# Altium PCB PCB1.PcbDoc (part 2 of 15) (continued)
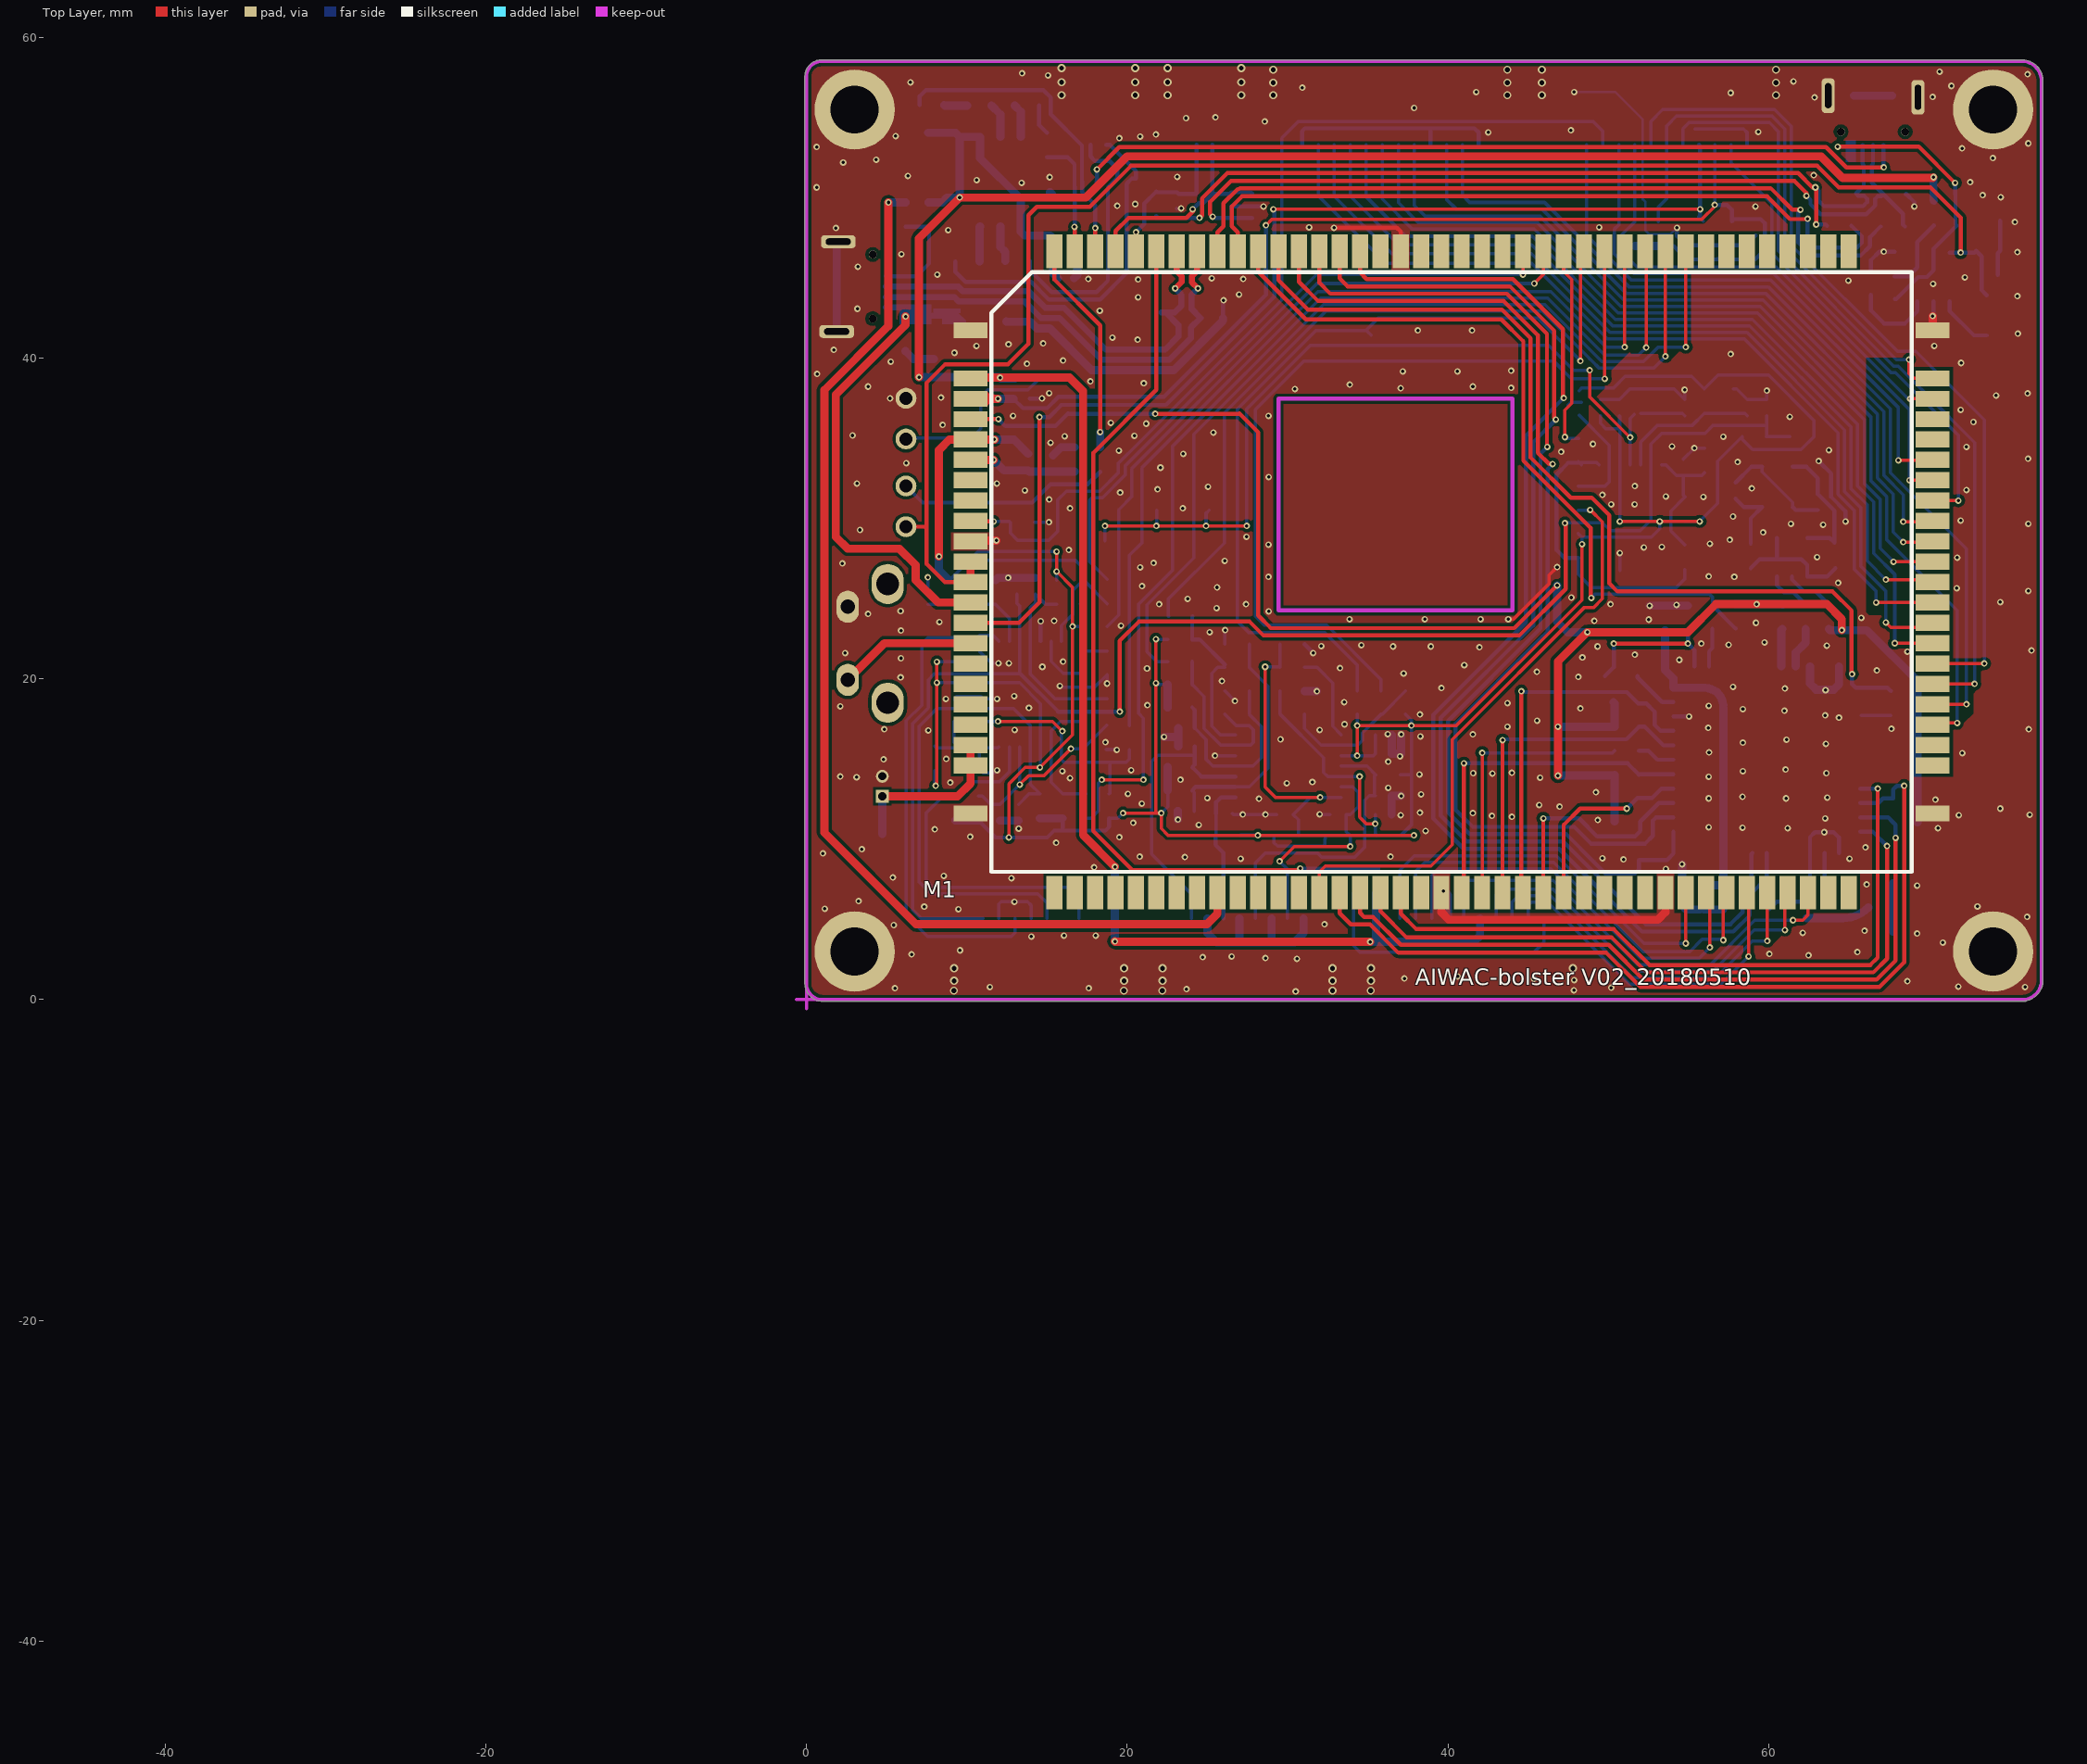
[diagram p0: Top Layer view]
## Free pads (board coordinates) (continued)
1(-45.28,-44) 1(-45.28,-44) 1(-45.28,-44) 1(-45.28,-44) 1(-45.28,-44) 1(-45.28,-43.97) 1(-45.28,-43.97) 1(-45.28,-43.97) 1(-45.28,-43.969) 1(-45.28,-43.969) 1(-45.28,-43.969) 1(-45.28,-43.987) 1(-45.28,-43.987) 1(-45.28,-43.987) 1(-45.28,-43.986) 1(-45.28,-43.986) 1(-45.28,-43.986) 1(-45.28,-44.012) 1(-45.28,-44.012) 1(-45.28,-44.012) 1(-45.28,-44.012) 1(-45.28,-44.012) 1(-45.28,-44.012) 1(-45.28,-43.98) 1(-45.28,-43.98) 1(-45.28,-43.98) 1(-45.28,-43.978) 1(-45.28,-43.978) 1(-45.28,-43.978) 1(-45.28,-44.014) 1(-45.28,-44.014) 1(-45.28,-44.014) 1(-45.28,-44.014) 1(-45.28,-44.014) 1(-45.28,-44.014) 1(-45.28,-44.013) 1(-45.28,-44.013) 1(-45.28,-44.013) 1(-45.28,-44.012) 1(-45.28,-44.012) 1(-45.28,-44.012) 1(-45.28,-44.011) 1(-45.28,-44.011) 1(-45.28,-44.011) 1(-45.28,-44.011) 1(-45.28,-44.011) 1(-45.28,-44.011) 1(-45.28,-43.975) 1(-45.28,-43.975) 1(-45.28,-43.975) 1(-45.28,-43.975) 1(-45.28,-43.975) 1(-45.28,-43.975) 1(-45.28,-43.973) 1(-45.28,-43.973) 1(-45.28,-43.973) 1(-45.28,-43.973) 1(-45.28,-43.973) 1(-45.28,-43.973) 1(-45.28,-43.998) 1(-45.28,-43.998) 1(-45.28,-43.998) 1(-45.28,-43.998) 1(-45.28,-43.998) 1(-45.28,-43.998) 1(-45.28,-43.97) 1(-45.28,-43.97) 1(-45.28,-43.97) 1(-45.28,-43.969) 1(-45.28,-43.969) 1(-45.28,-43.969) 1(-45.28,-43.998) 1(-45.28,-43.998) 1(-45.28,-43.998) 1(-45.28,-43.998) 1(-45.28,-43.998) 1(-45.28,-43.998) 1(-45.28,-43.987) 1(-45.28,-43.987) 1(-45.28,-43.987) 1(-45.28,-43.986) 1(-45.28,-43.986) 1(-45.28,-43.986) 1(-45.279,-43.971) 1(-45.279,-43.971) 1(-45.279,-43.971) 1(-45.279,-43.97) 1(-45.279,-43.97) 1(-45.279,-43.97) 1(-45.279,-43.97) 1(-45.279,-43.97) 1(-45.279,-43.97) 1(-45.279,-43.988) 1(-45.279,-43.988) 1(-45.279,-43.988) 1(-45.279,-43.988) 1(-45.279,-43.988) 1(-45.279,-43.988) 1(-45.279,-43.987) 1(-45.279,-43.987) 1(-45.279,-43.987) 1(-45.279,-43.987) 1(-45.279,-43.987) 1(-45.279,-43.987) 1(-45.279,-43.987) 1(-45.279,-43.987) 1(-45.279,-43.987) 1(-45.279,-43.987) 1(-45.279,-43.987) 1(-45.279,-43.987) 1(-45.279,-43.998) 1(-45.279,-43.998) 1(-45.279,-43.998) 1(-45.279,-43.998) 1(-45.279,-43.998) 1(-45.279,-43.998) 1(-45.279,-43.98) 1(-45.279,-43.98) 1(-45.279,-43.98) 1(-45.279,-43.98) 1(-45.279,-43.98) 1(-45.279,-43.98) 1(-45.279,-43.978) 1(-45.279,-43.978) 1(-45.279,-43.978) 1(-45.279,-43.978) 1(-45.279,-43.978) 1(-45.279,-43.978) 1(-45.279,-43.993) 1(-45.279,-43.993) 1(-45.279,-43.993) 1(-45.279,-43.993) 1(-45.279,-43.993) 1(-45.279,-43.993) 1(-45.279,-43.992) 1(-45.279,-43.992) 1(-45.279,-43.992) 1(-45.279,-43.991) 1(-45.279,-43.991) 1(-45.279,-43.991) 1(-45.279,-43.99) 1(-45.279,-43.99) 1(-45.279,-43.99) 1(-45.279,-43.99) 1(-45.279,-43.99) 1(-45.279,-43.99) 1(-45.279,-44.001) 1(-45.279,-44.001) 1(-45.279,-44.001) 1(-45.279,-44.001) 1(-45.279,-44.001) 1(-45.279,-44.001) 1(-45.279,-44) 1(-45.279,-44) 1(-45.279,-44) 1(-45.279,-43.999) 1(-45.279,-43.999) 1(-45.279,-43.999) 1(-45.279,-43.998) 1(-45.279,-43.998) 1(-45.279,-43.998) 1(-45.279,-43.998) 1(-45.279,-43.998) 1(-45.279,-43.998) 1(-45.279,-43.99) 1(-45.279,-43.99) 1(-45.279,-43.99) 1(-45.279,-43.99) 1(-45.279,-43.99) 1(-45.279,-43.99) 1(-45.279,-43.97) 1(-45.279,-43.97) 1(-45.279,-43.97) 1(-45.279,-43.97) 1(-45.279,-43.97) 1(-45.279,-43.97) 1(-45.279,-43.969) 1(-45.279,-43.969) 1(-45.279,-43.969) 1(-45.279,-43.969) 1(-45.279,-43.969) 1(-45.279,-43.969) 1(-45.278,-43.987) 1(-45.278,-43.987) 1(-45.278,-43.987) 1(-45.278,-43.987) 1(-45.278,-43.987) 1(-45.278,-43.987) 1(-45.278,-43.986) 1(-45.278,-43.986) 1(-45.278,-43.986) 1(-45.278,-43.986) 1(-45.278,-43.986) 1(-45.278,-43.986) 1(-45.278,-43.98) 1(-45.278,-43.98) 1(-45.278,-43.98) 1(-45.278,-43.98) 1(-45.278,-43.98) 1(-45.278,-43.98) 1(-45.278,-43.98) 1(-45.278,-43.98) 1(-45.278,-43.98) 1(-45.278,-43.98) 1(-45.278,-43.98) 1(-45.278,-43.98) 1(-45.278,-43.98) 1(-45.278,-43.98) 1(-45.278,-43.98) 1(-45.278,-43.98) 1(-45.278,-43.98) 1(-45.278,-43.98) 1(-45.278,-44.014) 1(-45.278,-44.014) 1(-45.278,-44.014) 1(-45.278,-44.014) 1(-45.278,-44.014) 1(-45.278,-44.014) 1(-45.278,-44.013) 1(-45.278,-44.013) 1(-45.278,-44.013) 1(-45.278,-44.012) 1(-45.278,-44.012) 1(-45.278,-44.012) 1(-45.278,-44.011) 1(-45.278,-44.011) 1(-45.278,-44.011) 1(-45.278,-44.011) 1(-45.278,-44.011) 1(-45.278,-44.011) 1(-45.278,-43.99) 1(-45.278,-43.99) 1(-45.278,-43.99) 1(-45.278,-43.99) 1(-45.278,-43.99) 1(-45.278,-43.99) 1(-45.278,-44.014) 1(-45.278,-44.014) 1(-45.278,-44.014) 1(-45.278,-44.014) 1(-45.278,-44.014) 1(-45.278,-44.014) 1(-45.278,-44.013) 1(-45.278,-44.013) 1(-45.278,-44.013) 1(-45.278,-44.012) 1(-45.278,-44.012) 1(-45.278,-44.012) 1(-45.278,-44.011) 1(-45.278,-44.011) 1(-45.278,-44.011) 1(-45.278,-44.011) 1(-45.278,-44.011) 1(-45.278,-44.011) 1(-45.278,-43.99) 1(-45.278,-43.99) 1(-45.278,-43.99) 1(-45.278,-43.99) 1(-45.278,-43.99) 1(-45.278,-43.99) 1(-45.278,-43.971) 1(-45.278,-43.971) 1(-45.278,-43.971) 1(-45.278,-43.97) 1(-45.278,-43.97) 1(-45.278,-43.97) 1(-45.278,-43.97) 1(-45.278,-43.97) 1(-45.278,-43.97) 1(-45.278,-43.993) 1(-45.278,-43.993) 1(-45.278,-43.993) 1(-45.278,-43.993) 1(-45.278,-43.993) 1(-45.278,-43.993) 1(-45.278,-43.992) 1(-45.278,-43.992) 1(-45.278,-43.992) 1(-45.278,-43.991) 1(-45.278,-43.991) 1(-45.278,-43.991) 1(-45.278,-43.99) 1(-45.278,-43.99) 1(-45.278,-43.99) 1(-45.278,-43.99) 1(-45.278,-43.99) 1(-45.278,-43.99) 1(-45.277,-44.006) 1(-45.277,-44.006) 1(-45.277,-44.006) 1(-45.277,-43.971) 1(-45.277,-43.971) 1(-45.277,-43.971) 1(-45.277,-43.971) 1(-45.277,-43.971) 1(-45.277,-43.971) 1(-45.277,-43.969) 1(-45.277,-43.969) 1(-45.277,-43.969) 1(-45.277,-44.008) 1(-45.277,-44.008) 1(-45.277,-44.008) 1(-45.277,-44.008) 1(-45.277,-44.008) 1(-45.277,-44.008) 1(-45.277,-44.006) 1(-45.277,-44.006) 1(-45.277,-44.006) 1(-45.277,-44.006) 1(-45.277,-44.006) 1(-45.277,-44.006) 1(-45.277,-44.006) 1(-45.277,-44.006) 1(-45.277,-44.006) 1(-45.277,-44.004) 1(-45.277,-44.004) 1(-45.277,-44.004) 1(-45.277,-44.004) 1(-45.277,-44.004) 1(-45.277,-44.004) 1(-45.277,-44.001) 1(-45.277,-44.001) 1(-45.277,-44.001) 1(-45.277,-44.001) 1(-45.277,-44.001) 1(-45.277,-44.001) 1(-45.277,-44) 1(-45.277,-44) 1(-45.277,-44) 1(-45.277,-43.999) 1(-45.277,-43.999) 1(-45.277,-43.999) 1(-45.277,-43.998) 1(-45.277,-43.998) 1(-45.277,-43.998) 1(-45.277,-43.998) 1(-45.277,-43.998) 1(-45.277,-43.998) 1(-45.277,-43.979) 1(-45.277,-43.979) 1(-45.277,-43.979) 1(-45.277,-43.978) 1(-45.277,-43.978) 1(-45.277,-43.978) 1(-45.277,-44.014) 1(-45.277,-44.014) 1(-45.277,-44.014) 1(-45.277,-44.014) 1(-45.277,-44.014) 1(-45.277,-44.014) 1(-45.277,-44.013) 1(-45.277,-44.013) 1(-45.277,-44.013) 1(-45.277,-44.012) 1(-45.277,-44.012) 1(-45.277,-44.012) 1(-45.277,-44.011) 1(-45.277,-44.011) 1(-45.277,-44.011) 1(-45.277,-44.011) 1(-45.277,-44.011) 1(-45.277,-44.011) 1(-45.277,-44.01) 1(-45.277,-44.01) 1(-45.277,-44.01) 1(-45.277,-44.01) 1(-45.277,-44.01) 1(-45.277,-44.01) 1(-45.277,-44.01) 1(-45.277,-44.01) 1(-45.277,-44.01) 1(-45.277,-44.009) 1(-45.277,-44.009) 1(-45.277,-44.009) 1(-45.277,-44.008) 1(-45.277,-44.008) 1(-45.277,-44.008) 1(-45.277,-44.007) 1(-45.277,-44.007) 1(-45.277,-44.007) 1(-45.277,-44.007) 1(-45.277,-44.007) 1(-45.277,-44.007) 1(-45.277,-44.007) 1(-45.277,-44.007) 1(-45.277,-44.007) 1(-45.277,-44.007) 1(-45.277,-44.007) 1(-45.277,-44.007) 1(-45.277,-44.006) 1(-45.277,-44.006) 1(-45.277,-44.006) 1(-45.277,-44.005) 1(-45.277,-44.005) 1(-45.277,-44.005) 1(-45.277,-44.004) 1(-45.277,-44.004) 1(-45.277,-44.004) 1(-45.277,-44.004) 1(-45.277,-44.004) 1(-45.277,-44.004) 1(-45.277,-44.004) 1(-45.277,-44.004) 1(-45.277,-44.004) 1(-45.277,-44.004) 1(-45.277,-44.004) 1(-45.277,-44.004) 1(-45.277,-44.003) 1(-45.277,-44.003) 1(-45.277,-44.003) 1(-45.277,-44.002) 1(-45.277,-44.002) 1(-45.277,-44.002) 1(-45.277,-44.001) 1(-45.277,-44.001) 1(-45.277,-44.001) 1(-45.277,-44.001) 1(-45.277,-44.001) 1(-45.277,-44.001) 1(-45.277,-44.001) 1(-45.277,-44.001) 1(-45.277,-44.001) 1(-45.277,-44.001) 1(-45.277,-44.001) 1(-45.277,-44.001) 1(-45.277,-44) 1(-45.277,-44) 1(-45.277,-44) 1(-45.277,-43.999) 1(-45.277,-43.999) 1(-45.277,-43.999) 1(-45.277,-43.998) 1(-45.277,-43.998) 1(-45.277,-43.998) 1(-45.277,-43.998) 1(-45.277,-43.998) 1(-45.277,-43.998) 1(-45.277,-44.014) 1(-45.277,-44.014) 1(-45.277,-44.014) 1(-45.277,-44.014) 1(-45.277,-44.014) 1(-45.277,-44.014) 1(-45.277,-44.013) 1(-45.277,-44.013) 1(-45.277,-44.013) 1(-45.277,-44.012) 1(-45.277,-44.012) 1(-45.277,-44.012) 1(-45.277,-44.011) 1(-45.277,-44.011) 1(-45.277,-44.011) 1(-45.277,-44.011) 1(-45.277,-44.011) 1(-45.277,-44.011) 1(-45.277,-43.971) 1(-45.277,-43.971) 1(-45.277,-43.971) 1(-45.277,-43.996) 1(-45.277,-43.996) 1(-45.277,-43.996) 1(-45.277,-43.996) 1(-45.277,-43.996) 1(-45.277,-43.996) 1(-45.277,-43.995) 1(-45.277,-43.995) 1(-45.277,-43.995) 1(-45.276,-44.018) 1(-45.276,-44.018) 1(-45.276,-44.018) 1(-45.276,-44.018) 1(-45.276,-44.018) 1(-45.276,-44.018) 1(-45.276,-44.016) 1(-45.276,-44.016) 1(-45.276,-44.016) 1(-45.276,-44.016) 1(-45.276,-44.016) 1(-45.276,-44.016) 1(-45.276,-43.979) 1(-45.276,-43.979) 1(-45.276,-43.979) 1(-45.276,-43.979) 1(-45.276,-43.979) 1(-45.276,-43.979) 1(-45.276,-43.978) 1(-45.276,-43.978) 1(-45.276,-43.978) 1(-45.276,-43.978) 1(-45.276,-43.978) 1(-45.276,-43.978) 1(-45.276,-43.993) 1(-45.276,-43.993) 1(-45.276,-43.993) 1(-45.276,-43.993) 1(-45.276,-43.993) 1(-45.276,-43.993) 1(-45.276,-43.992) 1(-45.276,-43.992) 1(-45.276,-43.992) 1(-45.276,-43.991) 1(-45.276,-43.991) 1(-45.276,-43.991) 1(-45.276,-43.99) 1(-45.276,-43.99) 1(-45.276,-43.99) 1(-45.276,-43.99) 1(-45.276,-43.99) 1(-45.276,-43.99) 1(-45.276,-43.976) 1(-45.276,-43.976) 1(-45.276,-43.976) 1(-45.276,-43.976) 1(-45.276,-43.976) 1(-45.276,-43.976) 1(-45.276,-43.975) 1(-45.276,-43.975) 1(-45.276,-43.975) 1(-45.276,-43.974) 1(-45.276,-43.974) 1(-45.276,-43.974) 1(-45.276,-43.973) 1(-45.276,-43.973) 1(-45.276,-43.973) 1(-45.276,-43.973) 1(-45.276,-43.973) 1(-45.276,-43.973) 1(-45.276,-43.996) 1(-45.276,-43.996) 1(-45.276,-43.996) 1(-45.276,-43.993) 1(-45.276,-43.993) 1(-45.276,-43.993) 1(-45.276,-43.993) 1(-45.276,-43.993) 1(-45.276,-43.993) 1(-45.276,-43.992) 1(-45.276,-43.992) 1(-45.276,-43.992) 1(-45.276,-43.991) 1(-45.276,-43.991) 1(-45.276,-43.991) 1(-45.276,-43.99) 1(-45.276,-43.99) 1(-45.276,-43.99) 1(-45.276,-43.99) 1(-45.276,-43.99) 1(-45.276,-43.99) 1(-45.276,-44.01) 1(-45.276,-44.01) 1(-45.276,-44.01) 1(-45.276,-44.01) 1(-45.276,-44.01) 1(-45.276,-44.01) 1(-45.276,-44.009) 1(-45.276,-44.009) 1(-45.276,-44.009) 1(-45.276,-44.008) 1(-45.276,-44.008) 1(-45.276,-44.008) 1(-45.276,-44.007) 1(-45.276,-44.007) 1(-45.276,-44.007) 1(-45.276,-44.007) 1(-45.276,-44.007) 1(-45.276,-44.007) 1(-45.276,-44.007) 1(-45.276,-44.007) 1(-45.276,-44.007) 1(-45.276,-44.007) 1(-45.276,-44.007) 1(-45.276,-44.007) 1(-45.276,-44.006) 1(-45.276,-44.006) 1(-45.276,-44.006) 1(-45.276,-44.005) 1(-45.276,-44.005) 1(-45.276,-44.005) 1(-45.276,-44.004) 1(-45.276,-44.004) 1(-45.276,-44.004) 1(-45.276,-44.004) 1(-45.276,-44.004) 1(-45.276,-44.004) 1(-45.276,-44.004) 1(-45.276,-44.004) 1(-45.276,-44.004) 1(-45.276,-44.004) 1(-45.276,-44.004) 1(-45.276,-44.004) 1(-45.276,-44.003) 1(-45.276,-44.003) 1(-45.276,-44.003) 1(-45.276,-44.002) 1(-45.276,-44.002) 1(-45.276,-44.002) 1(-45.276,-44.001) 1(-45.276,-44.001) 1(-45.276,-44.001) 1(-45.276,-44.001) 1(-45.276,-44.001) 1(-45.276,-44.001) 1(-45.276,-44.001) 1(-45.276,-44.001) 1(-45.276,-44.001) 1(-45.276,-44.001) 1(-45.276,-44.001) 1(-45.276,-44.001) 1(-45.276,-44) 1(-45.276,-44) 1(-45.276,-44) 1(-45.276,-43.999) 1(-45.276,-43.999) 1(-45.276,-43.999) 1(-45.276,-43.998) 1(-45.276,-43.998) 1(-45.276,-43.998) 1(-45.276,-43.998) 1(-45.276,-43.998) 1(-45.276,-43.998) 1(-45.276,-44.014) 1(-45.276,-44.014) 1(-45.276,-44.014) 1(-45.276,-44.014) 1(-45.276,-44.014) 1(-45.276,-44.014) 1(-45.276,-44.013) 1(-45.276,-44.013) 1(-45.276,-44.013) 1(-45.276,-44.012) 1(-45.276,-44.012) 1(-45.276,-44.012) 1(-45.276,-44.011) 1(-45.276,-44.011) 1(-45.276,-44.011) 1(-45.276,-44.011) 1(-45.276,-44.011) 1(-45.276,-44.011) 1(-45.276,-44.01) 1(-45.276,-44.01) 1(-45.276,-44.01) 1(-45.276,-44.01) 1(-45.276,-44.01) 1(-45.276,-44.01) 1(-45.276,-44.009) 1(-45.276,-44.009) 1(-45.276,-44.009) 1(-45.276,-44.008) 1(-45.276,-44.008) 1(-45.276,-44.008) 1(-45.276,-44.007) 1(-45.276,-44.007) 1(-45.276,-44.007) 1(-45.276,-44.007) 1(-45.276,-44.007) 1(-45.276,-44.007) 1(-45.276,-44.007) 1(-45.276,-44.007) 1(-45.276,-44.007) 1(-45.276,-44.007) 1(-45.276,-44.007) 1(-45.276,-44.007) 1(-45.276,-44.006) 1(-45.276,-44.006) 1(-45.276,-44.006) 1(-45.276,-44.005) 1(-45.276,-44.005) 1(-45.276,-44.005) 1(-45.276,-44.004) 1(-45.276,-44.004) 1(-45.276,-44.004) 1(-45.276,-44.004) 1(-45.276,-44.004) 1(-45.276,-44.004) 1(-45.276,-44.004) 1(-45.276,-44.004) 1(-45.276,-44.004) 1(-45.276,-44.004) 1(-45.276,-44.004) 1(-45.276,-44.004) 1(-45.276,-44.003) 1(-45.276,-44.003) 1(-45.276,-44.003) 1(-45.276,-44.002) 1(-45.276,-44.002) 1(-45.276,-44.002) 1(-45.276,-44.001) 1(-45.276,-44.001) 1(-45.276,-44.001) 1(-45.276,-44.001) 1(-45.276,-44.001) 1(-45.276,-44.001) 1(-45.276,-44.001) 1(-45.276,-44.001) 1(-45.276,-44.001) 1(-45.276,-44.001) 1(-45.276,-44.001) 1(-45.276,-44.001) 1(-45.276,-44) 1(-45.276,-44) 1(-45.276,-44) 1(-45.276,-43.999) 1(-45.276,-43.999) 1(-45.276,-43.999) 1(-45.276,-43.998) 1(-45.276,-43.998) 1(-45.276,-43.998) 1(-45.276,-43.998) 1(-45.276,-43.998) 1(-45.276,-43.998) 1(-45.275,-44.014) 1(-45.275,-44.014) 1(-45.275,-44.014) 1(-45.275,-44.014) 1(-45.275,-44.014) 1(-45.275,-44.014) 1(-45.275,-44.013) 1(-45.275,-44.013) 1(-45.275,-44.013) 1(-45.275,-44.012) 1(-45.275,-44.012) 1(-45.275,-44.012) 1(-45.275,-44.011) 1(-45.275,-44.011) 1(-45.275,-44.011) 1(-45.275,-44.011) 1(-45.275,-44.011) 1(-45.275,-44.011) 1(-45.275,-43.994) 1(-45.275,-43.994) 1(-45.275,-43.994) 1(-45.275,-44.02) 1(-45.275,-44.02) 1(-45.275,-44.02) 1(-45.275,-43.994) 1(-45.275,-43.994) 1(-45.275,-43.994) 1(-45.275,-43.976) 1(-45.275,-43.976) 1(-45.275,-43.976) 1(-45.275,-43.976) 1(-45.275,-43.976) 1(-45.275,-43.976) 1(-45.275,-43.975) 1(-45.275,-43.975) 1(-45.275,-43.975) 1(-45.275,-43.974) 1(-45.275,-43.974) 1(-45.275,-43.974) 1(-45.275,-43.973) 1(-45.275,-43.973) 1(-45.275,-43.973) 1(-45.275,-43.973) 1(-45.275,-43.973) 1(-45.275,-43.973) 1(-45.275,-43.993) 1(-45.275,-43.993) 1(-45.275,-43.993) 1(-45.275,-43.993) 1(-45.275,-43.993) 1(-45.275,-43.993) 1(-45.275,-43.992) 1(-45.275,-43.992) 1(-45.275,-43.992) 1(-45.275,-43.991) 1(-45.275,-43.991) 1(-45.275,-43.991) 1(-45.275,-43.99) 1(-45.275,-43.99) 1(-45.275,-43.99) 1(-45.275,-43.99) 1(-45.275,-43.99) 1(-45.275,-43.99) 1(-45.275,-43.967) 1(-45.275,-43.967) 1(-45.275,-43.967) 1(-45.275,-43.975) 1(-45.275,-43.975) 1(-45.275,-43.975) 1(-45.275,-43.975) 1(-45.275,-43.975) 1(-45.275,-43.975) 1(-45.274,-43.971) 1(-45.274,-43.971) 1(-45.274,-43.971) 1(-45.274,-44.01) 1(-45.274,-44.01) 1(-45.274,-44.01) 1(-45.274,-44.01) 1(-45.274,-44.01) 1(-45.274,-44.01) 1(-45.274,-44.009) 1(-45.274,-44.009) 1(-45.274,-44.009) 1(-45.274,-44.008) 1(-45.274,-44.008) 1(-45.274,-44.008) 1(-45.274,-44.007) 1(-45.274,-44.007) 1(-45.274,-44.007) 1(-45.274,-44.007) 1(-45.274,-44.007) 1(-45.274,-44.007) 1(-45.274,-44.007) 1(-45.274,-44.007) 1(-45.274,-44.007) 1(-45.274,-44.007) 1(-45.274,-44.007) 1(-45.274,-44.007) 1(-45.274,-44.006) 1(-45.274,-44.006) 1(-45.274,-44.006) 1(-45.274,-44.005) 1(-45.274,-44.005) 1(-45.274,-44.005) 1(-45.274,-44.004) 1(-45.274,-44.004) 1(-45.274,-44.004) 1(-45.274,-44.004) 1(-45.274,-44.004) 1(-45.274,-44.004) 1(-45.274,-44.004) 1(-45.274,-44.004) 1(-45.274,-44.004) 1(-45.274,-44.004) 1(-45.274,-44.004) 1(-45.274,-44.004) 1(-45.274,-44.003) 1(-45.274,-44.003) 1(-45.274,-44.003) 1(-45.274,-44.002) 1(-45.274,-44.002) 1(-45.274,-44.002) 1(-45.274,-44.001) 1(-45.274,-44.001) 1(-45.274,-44.001) 1(-45.274,-44.001) 1(-45.274,-44.001) 1(-45.274,-44.001) 1(-45.274,-44.001) 1(-45.274,-44.001) 1(-45.274,-44.001) 1(-45.274,-44.001) 1(-45.274,-44.001) 1(-45.274,-44.001) 1(-45.274,-44) 1(-45.274,-44) 1(-45.274,-44) 1(-45.274,-43.999) 1(-45.274,-43.999) 1(-45.274,-43.999) 1(-45.274,-43.998) 1(-45.274,-43.998) 1(-45.274,-43.998) 1(-45.274,-43.998) 1(-45.274,-43.998) 1(-45.274,-43.998) 1(-45.274,-44.016) 1(-45.274,-44.016) 1(-45.274,-44.016) 1(-45.274,-44.022) 1(-45.274,-44.022) 1(-45.274,-44.022) 1(-45.274,-44.02) 1(-45.274,-44.02) 1(-45.274,-44.02) 1(-45.274,-44.02) 1(-45.274,-44.02) 1(-45.274,-44.02) 1(-45.274,-44.01) 1(-45.274,-44.01) 1(-45.274,-44.01) 1(-45.274,-44.01) 1(-45.274,-44.01) 1(-45.274,-44.01) 1(-45.274,-44.009) 1(-45.274,-44.009) 1(-45.274,-44.009) 1(-45.274,-44.008) 1(-45.274,-44.008) 1(-45.274,-44.008) 1(-45.274,-44.007) 1(-45.274,-44.007) 1(-45.274,-44.007) 1(-45.274,-44.007) 1(-45.274,-44.007) 1(-45.274,-44.007) 1(-45.274,-43.975) 1(-45.274,-43.975) 1(-45.274,-43.975) 1(-45.274,-43.975) 1(-45.274,-43.975) 1(-45.274,-43.975) 1(-45.274,-44.014) 1(-45.274,-44.014) 1(-45.274,-44.014) 1(-45.274,-44.014) 1(-45.274,-44.014) 1(-45.274,-44.014) 1(-45.274,-44.013) 1(-45.274,-44.013) 1(-45.274,-44.013) 1(-45.274,-44.012) 1(-45.274,-44.012) 1(-45.274,-44.012) 1(-45.274,-44.011) 1(-45.274,-44.011) 1(-45.274,-44.011) 1(-45.274,-44.011) 1(-45.274,-44.011) 1(-45.274,-44.011) 1(-45.274,-43.996) 1(-45.274,-43.996) 1(-45.274,-43.996) 1(-45.274,-43.975) 1(-45.274,-43.975) 1(-45.274,-43.975) 1(-45.274,-43.975) 1(-45.274,-43.975) 1(-45.274,-43.975) 1(-45.274,-44.016) 1(-45.274,-44.016) 1(-45.274,-44.016) 1(-45.274,-44.016) 1(-45.274,-44.016) 1(-45.274,-44.016) 1(-45.274,-44.016) 1(-45.274,-44.016) 1(-45.274,-44.016) 1(-45.274,-44.016) 1(-45.274,-44.016) 1(-45.274,-44.016) 1(-45.274,-44.01) 1(-45.274,-44.01) 1(-45.274,-44.01) 1(-45.274,-44.016) 1(-45.274,-44.016) 1(-45.274,-44.016) 1(-45.274,-43.982) 1(-45.274,-43.982) 1(-45.274,-43.982) 1(-45.274,-43.982) 1(-45.274,-43.982) 1(-45.274,-43.982) 1(-45.274,-43.982) 1(-45.274,-43.982) 1(-45.274,-43.982) 1(-45.274,-43.982) 1(-45.274,-43.982) 1(-45.274,-43.982) 1(-45.274,-43.996) 1(-45.274,-43.996) 1(-45.274,-43.996) 1(-45.274,-43.996) 1(-45.274,-43.996) 1(-45.274,-43.996) 1(-45.274,-43.995) 1(-45.274,-43.995) 1(-45.274,-43.995) 1(-45.274,-44.016) 1(-45.274,-44.016) 1(-45.274,-44.016) 1(-45.274,-44.016) 1(-45.274,-44.016) 1(-45.274,-44.016) 1(-45.274,-44.016) 1(-45.274,-44.016) 1(-45.274,-44.016) 1(-45.273,-44.018) 1(-45.273,-44.018) 1(-45.273,-44.018) 1(-45.273,-44.018) 1(-45.273,-44.018) 1(-45.273,-44.018) 1(-45.273,-44.018) 1(-45.273,-44.018) 1(-45.273,-44.018) 1(-45.273,-44.018) 1(-45.273,-44.018) 1(-45.273,-44.018) 1(-45.273,-44.016) 1(-45.273,-44.016) 1(-45.273,-44.016) 1(-45.273,-44.016) 1(-45.273,-44.016) 1(-45.273,-44.016) 1(-45.273,-43.983) 1(-45.273,-43.983) 1(-45.273,-43.983) 1(-45.273,-43.971) 1(-45.273,-43.971) 1(-45.273,-43.971) 1(-45.273,-43.971) 1(-45.273,-43.971) 1(-45.273,-43.971) 1(-45.273,-43.969) 1(-45.273,-43.969) 1(-45.273,-43.969) 1(-45.273,-43.983) 1(-45.273,-43.983) 1(-45.273,-43.983) 1(-45.273,-43.983) 1(-45.273,-43.983) 1(-45.273,-43.983) 1(-45.273,-43.982) 1(-45.273,-43.982) 1(-45.273,-43.982) 1(-45.273,-43.982) 1(-45.273,-43.982) 1(-45.273,-43.982) 1(-45.273,-43.982) 1(-45.273,-43.982) 1(-45.273,-43.982) 1(-45.273,-43.975) 1(-45.273,-43.975) 1(-45.273,-43.975) 1(-45.273,-43.975) 1(-45.273,-43.975) 1(-45.273,-43.975) 1(-45.273,-43.995) 1(-45.273,-43.995) 1(-45.273,-43.995) 1(-45.273,-43.994) 1(-45.273,-43.994) 1(-45.273,-43.994) 1(-45.273,-43.994) 1(-45.273,-43.994) 1(-45.273,-43.994) 1(-45.273,-43.975) 1(-45.273,-43.975) 1(-45.273,-43.975) 1(-45.273,-43.975) 1(-45.273,-43.975) 1(-45.273,-43.975) 1(-45.273,-44.01) 1(-45.273,-44.01) 1(-45.273,-44.01) 1(-45.273,-44.01) 1(-45.273,-44.01) 1(-45.273,-44.01) 1(-45.273,-44.01) 1(-45.273,-44.01) 1(-45.273,-44.01) 1(-45.273,-44.009) 1(-45.273,-44.009) 1(-45.273,-44.009) 1(-45.273,-44.008) 1(-45.273,-44.008) 1(-45.273,-44.008) 1(-45.273,-44.007) 1(-45.273,-44.007) 1(-45.273,-44.007) 1(-45.273,-44.007) 1(-45.273,-44.007) 1(-45.273,-44.007) 1(-45.273,-43.975) 1(-45.273,-43.975) 1(-45.273,-43.975) 1(-45.273,-43.975) 1(-45.273,-43.975) 1(-45.273,-43.975) 1(-45.273,-43.994) 1(-45.273,-43.994) 1(-45.273,-43.994) 1(-45.272,-43.977) 1(-45.272,-43.977) 1(-45.272,-43.977) 1(-45.272,-43.977) 1(-45.272,-43.977) 1(-45.272,-43.977) 1(-45.272,-43.976) 1(-45.272,-43.976) 1(-45.272,-43.976) 1(-45.272,-43.975) 1(-45.272,-43.975) 1(-45.272,-43.975) 1(-45.272,-43.974) 1(-45.272,-43.974) 1(-45.272,-43.974) 1(-45.272,-43.974) 1(-45.272,-43.974) 1(-45.272,-43.974) 1(-45.272,-43.997) 1(-45.272,-43.997) 1(-45.272,-43.997) 1(-45.272,-44.013) 1(-45.272,-44.013) 1(-45.272,-44.013) 1(-45.272,-44.013) 1(-45.272,-44.013) 1(-45.272,-44.013) 1(-45.272,-44.011) 1(-45.272,-44.011) 1(-45.272,-44.011) 1(-45.272,-44.011) 1(-45.272,-44.011) 1(-45.272,-44.011) 1(-45.272,-44.011) 1(-45.272,-44.011) 1(-45.272,-44.011) 1(-45.272,-44.011) 1(-45.272,-44.011) 1(-45.272,-44.011) 1(-45.272,-44.01) 1(-45.272,-44.01) 1(-45.272,-44.01) 1(-45.272,-44.01) 1(-45.272,-44.01) 1(-45.272,-44.01) 1(-45.272,-44.007) 1(-45.272,-44.007) 1(-45.272,-44.007) 1(-45.272,-44.007) 1(-45.272,-44.007) 1(-45.272,-44.007) 1(-45.272,-44.006) 1(-45.272,-44.006) 1(-45.272,-44.006) 1(-45.272,-44.006) 1(-45.272,-44.006) 1(-45.272,-44.006) 1(-45.272,-44.006) 1(-45.272,-44.006) 1(-45.272,-44.006) 1(-45.272,-44.006) 1(-45.272,-44.006) 1(-45.272,-44.006) 1(-45.272,-44.005) 1(-45.272,-44.005) 1(-45.272,-44.005) 1(-45.272,-44.005) 1(-45.272,-44.005) 1(-45.272,-44.005) 1(-45.272,-44.004) 1(-45.272,-44.004) 1(-45.272,-44.004) 1(-45.272,-44.004) 1(-45.272,-44.004) 1(-45.272,-44.004) 1(-45.272,-44.003) 1(-45.272,-44.003) 1(-45.272,-44.003) 1(-45.272,-44.003) 1(-45.272,-44.003) 1(-45.272,-44.003) 1(-45.272,-44.003) 1(-45.272,-44.003) 1(-45.272,-44.003) 1(-45.272,-44.003) 1(-45.272,-44.003) 1(-45.272,-44.003) 1(-45.272,-44.002) 1(-45.272,-44.002) 1(-45.272,-44.002) 1(-45.272,-44.002) 1(-45.272,-44.002) 1(-45.272,-44.002) 1(-45.272,-44.002) 1(-45.272,-44.002) 1(-45.272,-44.002) 1(-45.272,-44.002) 1(-45.272,-44.002) 1(-45.272,-44.002) 1(-45.272,-44) 1(-45.272,-44) 1(-45.272,-44) 1(-45.272,-44) 1(-45.272,-44) 1(-45.272,-44) 1(-45.272,-43.997) 1(-45.272,-43.997) 1(-45.272,-43.997) 1(-45.271,-43.977) 1(-45.271,-43.977) 1(-45.271,-43.977) 1(-45.271,-43.977) 1(-45.271,-43.977) 1(-45.271,-43.977) 1(-45.271,-43.976) 1(-45.271,-43.976) 1(-45.271,-43.976) 1(-45.271,-43.975) 1(-45.271,-43.975) 1(-45.271,-43.975) 1(-45.271,-43.974) 1(-45.271,-43.974) 1(-45.271,-43.974) 1(-45.271,-43.974) 1(-45.271,-43.974) 1(-45.271,-43.974) 1(-45.271,-44.022) 1(-45.271,-44.022) 1(-45.271,-44.022) 1(-45.271,-44.02) 1(-45.271,-44.02) 1(-45.271,-44.02) 1(-45.271,-44.02) 1(-45.271,-44.02) 1(-45.271,-44.02) 1(-45.271,-44.013) 1(-45.271,-44.013) 1(-45.271,-44.013) 1(-45.271,-44.013) 1(-45.271,-44.013) 1(-45.271,-44.013) 1(-45.271,-44.013) 1(-45.271,-44.013) 1(-45.271,-44.013) 1(-45.271,-44.013) 1(-45.271,-44.013) 1(-45.271,-44.013) 1(-45.271,-44.013) 1(-45.271,-44.013) 1(-45.271,-44.013) 1(-45.271,-44.013) 1(-45.271,-44.013) 1(-45.271,-44.013) 1(-45.271,-44.008) 1(-45.271,-44.008) 1(-45.271,-44.008) 1(-45.271,-44.008) 1(-45.271,-44.008) 1(-45.271,-44.008) 1(-45.271,-44.008) 1(-45.271,-44.008) 1(-45.271,-44.008) 1(-45.271,-44.008) 1(-45.271,-44.008) 1(-45.271,-44.008) 1(-45.271,-44.008) 1(-45.271,-44.008) 1(-45.271,-44.008) 1(-45.271,-44.008) 1(-45.271,-44.008) 1(-45.271,-44.008) 1(-45.271,-43.983) 1(-45.271,-43.983) 1(-45.271,-43.983) 1(-45.271,-43.983) 1(-45.271,-43.983) 1(-45.271,-43.983) 1(-45.271,-43.982) 1(-45.271,-43.982) 1(-45.271,-43.982) 1(-45.271,-43.982) 1(-45.271,-43.982) 1(-45.271,-43.982) 1(-45.271,-43.994) 1(-45.271,-43.994) 1(-45.271,-43.994) 1(-45.271,-43.971) 1(-45.271,-43.971) 1(-45.271,-43.971) 1(-45.271,-43.971) 1(-45.271,-43.971) 1(-45.271,-43.971) 1(-45.271,-43.969) 1(-45.271,-43.969) 1(-45.271,-43.969) 1(-45.271,-43.974) 1(-45.271,-43.974) 1(-45.271,-43.974) 1(-45.271,-43.974) 1(-45.271,-43.974) 1(-45.271,-43.974) 1(-45.271,-44.013) 1(-45.271,-44.013) 1(-45.271,-44.013) 1(-45.271,-44.011) 1(-45.271,-44.011) 1(-45.271,-44.011) 1(-45.271,-44.011) 1(-45.271,-44.011) 1(-45.271,-44.011) 1(-45.271,-44.01) 1(-45.271,-44.01) 1(-45.271,-44.01) 1(-45.271,-44.007) 1(-45.271,-44.007) 1(-45.271,-44.007) 1(-45.271,-44.006) 1(-45.271,-44.006) 1(-45.271,-44.006) 1(-45.271,-44.006) 1(-45.271,-44.006) 1(-45.271,-44.006) 1(-45.271,-44.005) 1(-45.271,-44.005) 1(-45.271,-44.005) 1(-45.271,-44.004) 1(-45.271,-44.004) 1(-45.271,-44.004) 1(-45.271,-44.003) 1(-45.271,-44.003) 1(-45.271,-44.003) 1(-45.271,-44.003) 1(-45.271,-44.003) 1(-45.271,-44.003) 1(-45.271,-44.002) 1(-45.271,-44.002) 1(-45.271,-44.002) 1(-45.271,-44.002) 1(-45.271,-44.002) 1(-45.271,-44.002) 1(-45.271,-44) 1(-45.271,-44) 1(-45.271,-44) 1(-45.271,-43.974) 1(-45.271,-43.974) 1(-45.271,-43.974) 1(-45.271,-43.974) 1(-45.271,-43.974) 1(-45.271,-43.974) 1(-45.27,-43.995) 1(-45.27,-43.995) 1(-45.27,-43.995) 1(-45.27,-43.994) 1(-45.27,-43.994) 1(-45.27,-43.994) 1(-45.27,-43.994) 1(-45.27,-43.994) 1(-45.27,-43.994) 1(-45.27,-43.974) 1(-45.27,-43.974) 1(-45.27,-43.974) 1(-45.27,-43.974) 1(-45.27,-43.974) 1(-45.27,-43.974) 1(-45.27,-44.02) 1(-45.27,-44.02) 1(-45.27,-44.02) 1(-45.27,-44.025) 1(-45.27,-44.025) 1(-45.27,-44.025) 1(-45.27,-43.995) 1(-45.27,-43.995) 1(-45.27,-43.995) 1(-45.27,-43.994) 1(-45.27,-43.994) 1(-45.27,-43.994) 1(-45.27,-43.994) 1(-45.27,-43.994) 1(-45.27,-43.994) 1(-45.27,-44.013) 1(-45.27,-44.013) 1(-45.27,-44.013) 1(-45.27,-44.011) 1(-45.27,-44.011) 1(-45.27,-44.011) 1(-45.27,-44.011) 1(-45.27,-44.011) 1(-45.27,-44.011) 1(-45.27,-44.01) 1(-45.27,-44.01) 1(-45.27,-44.01) 1(-45.27,-44.007) 1(-45.27,-44.007) 1(-45.27,-44.007) 1(-45.27,-44.006) 1(-45.27,-44.006) 1(-45.27,-44.006) 1(-45.27,-44.006) 1(-45.27,-44.006) 1(-45.27,-44.006) 1(-45.27,-44.005) 1(-45.27,-44.005) 1(-45.27,-44.005) 1(-45.27,-44.004) 1(-45.27,-44.004) 1(-45.27,-44.004) 1(-45.27,-44.003) 1(-45.27,-44.003) 1(-45.27,-44.003) 1(-45.27,-44.003) 1(-45.27,-44.003) 1(-45.27,-44.003) 1(-45.27,-44.002) 1(-45.27,-44.002) 1(-45.27,-44.002) 1(-45.27,-44.002) 1(-45.27,-44.002) 1(-45.27,-44.002) 1(-45.27,-44) 1(-45.27,-44) 1(-45.27,-44) 1(-45.27,-43.971) 1(-45.27,-43.971) 1(-45.27,-43.971) 1(-45.27,-43.983) 1(-45.27,-43.983) 1(-45.27,-43.983) 1(-45.27,-43.983) 1(-45.27,-43.983) 1(-45.27,-43.983) 1(-45.27,-43.982) 1(-45.27,-43.982) 1(-45.27,-43.982) 1(-45.27,-43.982) 1(-45.27,-43.982) 1(-45.27,-43.982) 1(-45.27,-43.994) 1(-45.27,-43.994) 1(-45.27,-43.994) 1(-45.269,-44.013) 1(-45.269,-44.013) 1(-45.269,-44.013) 1(-45.269,-44.013) 1(-45.269,-44.013) 1(-45.269,-44.013) 1(-45.269,-44.011) 1(-45.269,-44.011) 1(-45.269,-44.011) 1(-45.269,-44.011) 1(-45.269,-44.011) 1(-45.269,-44.011) 1(-45.269,-44.011) 1(-45.269,-44.011) 1(-45.269,-44.011) 1(-45.269,-44.011) 1(-45.269,-44.011) 1(-45.269,-44.011) 1(-45.269,-44.01) 1(-45.269,-44.01) 1(-45.269,-44.01) 1(-45.269,-44.01) 1(-45.269,-44.01) 1(-45.269,-44.01) 1(-45.269,-44.007) 1(-45.269,-44.007) 1(-45.269,-44.007) 1(-45.269,-44.007) 1(-45.269,-44.007) 1(-45.269,-44.007) 1(-45.269,-44.006) 1(-45.269,-44.006) 1(-45.269,-44.006) 1(-45.269,-44.006) 1(-45.269,-44.006) 1(-45.269,-44.006) 1(-45.269,-44.006) 1(-45.269,-44.006) 1(-45.269,-44.006) 1(-45.269,-44.006) 1(-45.269,-44.006) 1(-45.269,-44.006) 1(-45.269,-44.005) 1(-45.269,-44.005) 1(-45.269,-44.005) 1(-45.269,-44.005) 1(-45.269,-44.005) 1(-45.269,-44.005) 1(-45.269,-44.004) 1(-45.269,-44.004) 1(-45.269,-44.004) 1(-45.269,-44.004) 1(-45.269,-44.004) 1(-45.269,-44.004) 1(-45.269,-44.003) 1(-45.269,-44.003) 1(-45.269,-44.003) 1(-45.269,-44.003) 1(-45.269,-44.003) 1(-45.269,-44.003) 1(-45.269,-44.003) 1(-45.269,-44.003) 1(-45.269,-44.003) 1(-45.269,-44.003) 1(-45.269,-44.003) 1(-45.269,-44.003) 1(-45.269,-44.002) 1(-45.269,-44.002) 1(-45.269,-44.002) 1(-45.269,-44.002) 1(-45.269,-44.002) 1(-45.269,-44.002) 1(-45.269,-44.009) 1(-45.269,-44.009) 1(-45.269,-44.009) 1(-45.269,-44.009) 1(-45.269,-44.009) 1(-45.269,-44.009) 1(-45.269,-44.009) 1(-45.269,-44.009) 1(-45.269,-44.009) 1(-45.269,-44.009) 1(-45.269,-44.009) 1(-45.269,-44.009) 1(-45.269,-44.009) 1(-45.269,-44.009) 1(-45.269,-44.009) 1(-45.269,-44.009) 1(-45.269,-44.009) 1(-45.269,-44.009) 1(-45.269,-44.002) 1(-45.269,-44.002) 1(-45.269,-44.002) 1(-45.269,-44.002) 1(-45.269,-44.002) 1(-45.269,-44.002)